# Allegro board GPS_INTERFACE_BOARD_v24_test_SFP_.brd (continued)
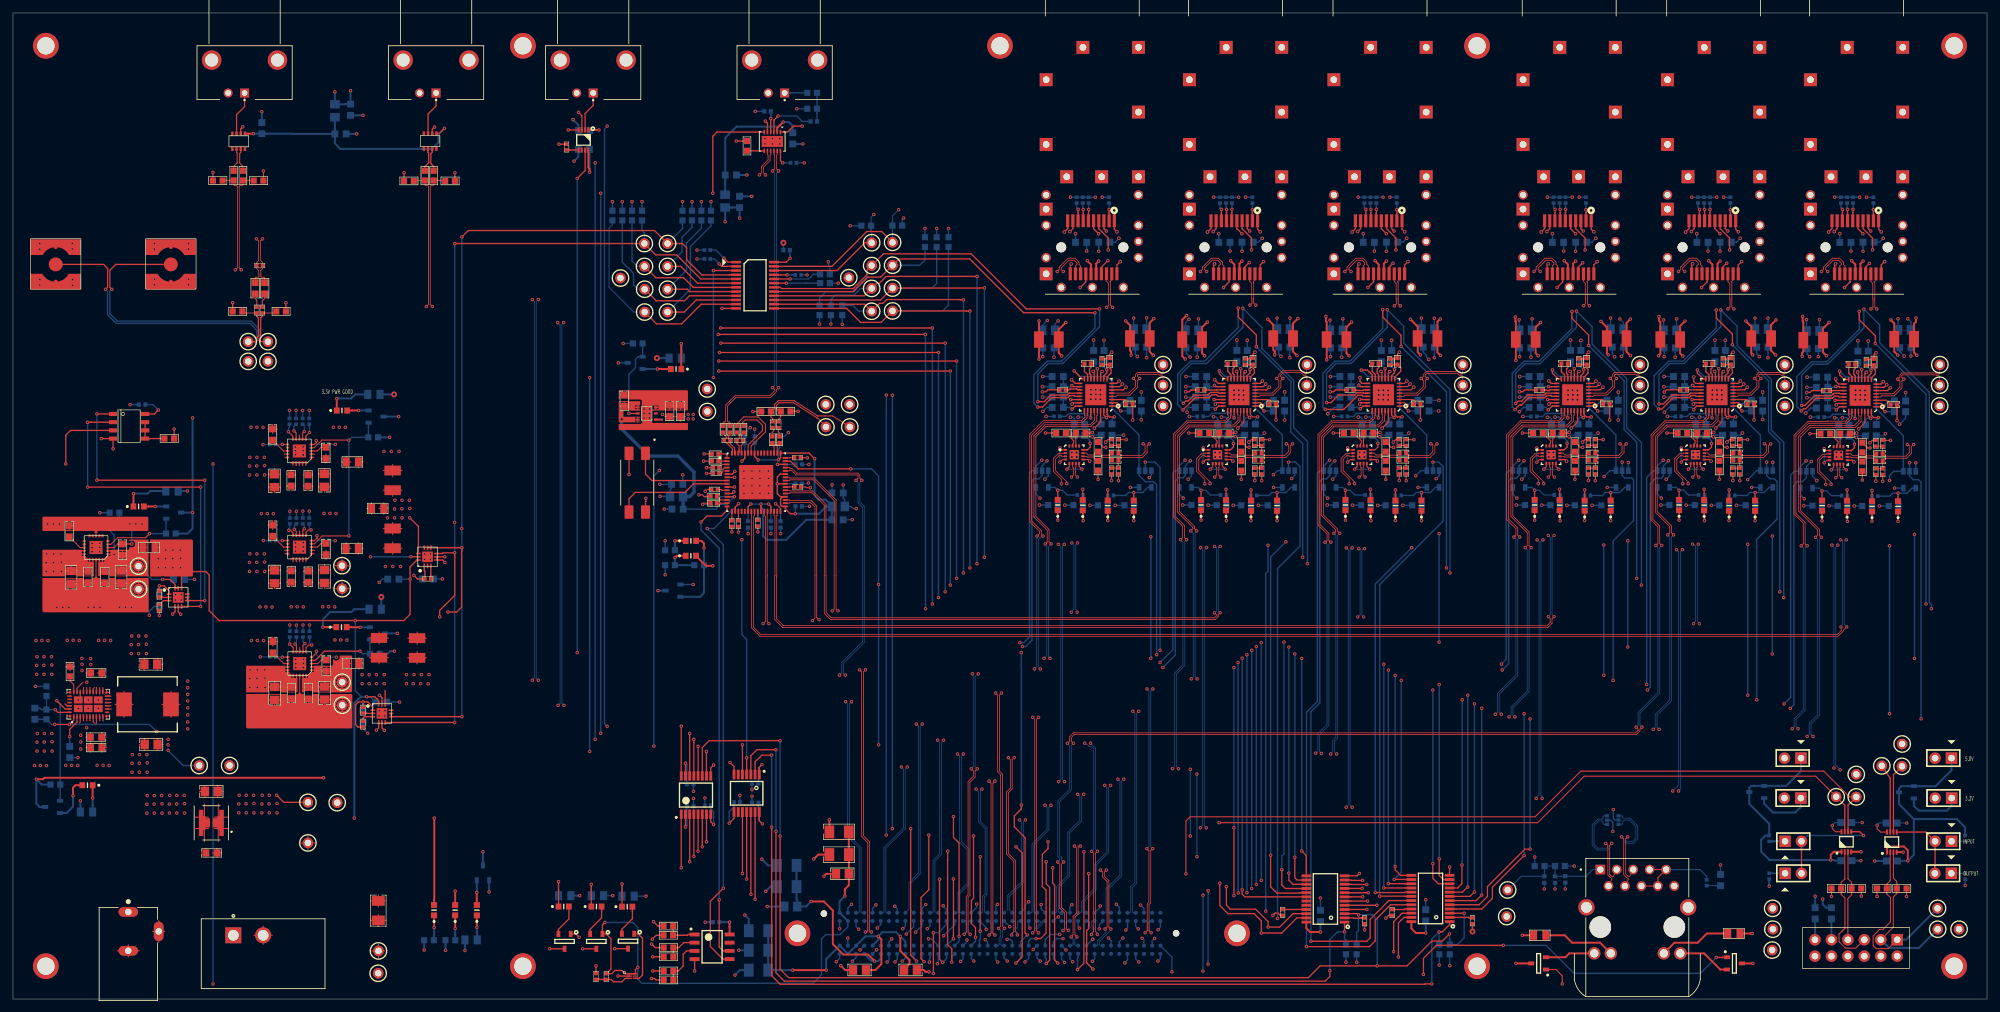
[diagram p0: board, top side]
## Routing (per net, layer and track width the routed paths; a pad name or vN(x,y) marks a point on that pad's centre or on a via; arc(x,y) is an arc through that point) (continued)
  BOTTOM w0.127: v2(208.69,69.61) 208.69,69.61 208.64,69.56 208.41,69.56 208.28,69.43 208.28,59.31 v2(208.53,59.05)
CLK_TO_SFP.CLK_TO_SFP_N4: length 109.6
  TOP w0.127: v2(186.39,59.69) 186.08,59.38 186.08,59.09 185.64,58.65 126.22,58.65 125.27,59.6 125.27,76.34 123.37,78.24 123.25,78.24 119.98,78.24 119.86,78.13 IC2.37 ; U38.7 186.23,82.24 186.17,82.18 186.17,80.99 v2(186.49,80.67)
  L5 w0.127: v2(186.49,80.67) 186.33,80.52 186.33,80.5 186.31,80.48 186.27,80.48 186.14,80.35 186.14,73.02 186.16,73 186.16,70.21 v2(186.41,69.95)
  BOTTOM w0.127: v2(186.41,69.95) 186.23,69.95 186.11,69.82 186.11,59.97 v2(186.39,59.69)
CLK_TO_SFP.CLK_TO_SFP_N5: length 88.2
  TOP w0.127: v2(164.36,80.67) 164.05,80.99 164.05,82.18 164.11,82.24 U42.7 ; IC2.41 119.86,80.13 119.97,80.24 123.6,80.24 126.8,77.05 126.8,60.3 v2(126.5,59.99)
  L5 w0.127: v2(164.3,59.78) 164.01,59.78 163.89,59.66 163.89,59.58 163.61,59.3 163.4,59.3 163.39,59.28 127.65,59.28 127.42,59.52 127.19,59.52 126.71,59.99 v2(126.5,59.99) ; v2(164.37,70.49) 164.02,70.85 164.02,72.81 164.03,72.82 164.02,72.84 164.02,73 163.97,73.05 163.97,80.27 v2(164.36,80.67)
  BOTTOM w0.127: v2(164.3,59.78) 164.3,60.02 164.09,60.23 164.09,70.15 164.22,70.28 164.27,70.28 164.37,70.39 v2(164.37,70.49)
CLK_TO_SFP.CLK_TO_SFP_P0: length 221.3
  TOP w0.127: IC2.24 114.51,74.78 114.33,74.59 114.33,57.48 115.47,56.34 281.66,56.34 282.35,57.02 282.35,57.4 v2(282.24,57.51) ; U22.6 281.61,82.14 281.74,82.02 281.74,80.87 v2(281.44,80.57)
  L4 w0.165: 281.75,72.79 281.75,80.26 v2(281.44,80.57)
  L5 w0.127: v2(282.19,70.97) 282.4,71.17 282.4,77.46 281.77,78.09 281.77,80.24 v2(281.44,80.57)
  BOTTOM w0.127: v2(282.19,70.97) 282.37,70.97 282.47,70.87 282.47,57.86 282.24,57.63 v2(282.24,57.51)
CLK_TO_SFP.CLK_TO_SFP_P1: length 188.2
  TOP w0.127: v2(116.71,58.01) 116.71,58.14 116.46,58.4 116.46,65.38 116.51,65.43 116.51,65.48 116.46,65.53 116.46,74.84 116.51,74.89 IC2.28 ; U26.6 259.54,82.24 259.66,82.12 259.66,80.97 v2(259.37,80.67)
  L5 w0.127: v2(259.37,80.67) 259.69,80.34 259.69,70.57 259.44,70.31 v2(259.33,70.31) ; v2(116.71,58.01) 116.49,57.79 116.49,57.61 117.08,57.02 259.38,57.02 259.71,57.35 259.71,57.9 259.6,58.01 v2(259.49,58.01)
  BOTTOM w0.127: v2(259.33,70.31) 259.46,70.31 259.59,70.18 259.66,70.18 259.79,70.05 259.79,58.4 259.59,58.2 259.59,58.12 v2(259.49,58.01)
CLK_TO_SFP.CLK_TO_SFP_P2: length 162.2
  TOP w0.127: IC2.31 118.01,74.78 117.93,74.7 117.93,65.37 117.88,65.31 117.88,58.78 118.95,57.71 236.87,57.71 237.36,58.21 237.36,58.8 v2(237.06,59.11) ; U30.6 237.24,82.24 237.36,82.12 237.36,80.97 v2(237.07,80.67)
  L5 w0.127: v2(237.06,71.65) 237.37,71.97 237.37,80.36 v2(237.07,80.67)
  BOTTOM w0.127: v2(237.06,59.11) 237.36,59.41 237.36,71.35 v2(237.06,71.65)
CLK_TO_SFP.CLK_TO_SFP_P3: length 131.8
  TOP w0.127: U34.6 208.03,82.24 208.15,82.12 208.15,80.97 v2(207.86,80.67) ; IC2.35 119.86,77.13 119.97,77.02 123.27,77.02 124.1,76.19 124.1,58.98 v2(124.46,58.62)
  L5 w0.127: v2(207.64,59.05) 207.79,59.05 207.93,58.91 207.93,58.68 207.57,58.32 124.76,58.32 v2(124.46,58.62) ; v2(207.8,69.61) 207.94,69.61 208.16,69.83 208.16,80.36 v2(207.86,80.67)
  BOTTOM w0.127: v2(207.8,69.61) 207.81,69.6 207.87,69.6 208,69.47 208,59.37 207.73,59.11 207.69,59.11 v2(207.64,59.05)
CLK_TO_SFP.CLK_TO_SFP_P4: length 109.2
  TOP w0.127: IC2.38 119.86,78.63 119.97,78.52 123.48,78.52 125.53,76.48 125.53,65.43 125.55,65.41 125.55,59.72 126.34,58.93 185.52,58.93 185.8,59.2 185.8,59.38 v2(185.49,59.69) ; v2(185.55,80.67) 185.85,80.97 185.85,82.12 185.73,82.24 U38.6
  L5 w0.127: v2(185.52,69.95) 185.6,69.95 185.88,70.23 185.88,72.89 185.86,72.89 185.86,72.89 185.86,80.36 v2(185.55,80.67)
  BOTTOM w0.127: v2(185.49,59.69) 185.57,59.69 185.83,59.94 185.83,69.8 185.67,69.95 v2(185.52,69.95)
CLK_TO_SFP.CLK_TO_SFP_P5: length 86.6
  TOP w0.127: v2(163.43,80.67) 163.73,80.97 163.73,82.12 163.61,82.24 U42.6 ; IC2.42 119.86,80.63 119.97,80.52 123.72,80.52 127.1,77.14 127.1,60.28 v2(127.39,59.99)
  L5 w0.127: v2(163.41,59.78) 163.19,59.56 127.77,59.56 127.59,59.74 127.59,59.79 v2(127.39,59.99) ; v2(163.48,70.49) 163.69,70.7 163.69,70.71 163.74,70.76 163.74,72.89 163.69,72.94 163.69,80.41 v2(163.43,80.67)
  BOTTOM w0.127: v2(163.41,59.78) 163.6,59.97 163.6,60.06 163.81,60.27 163.81,70.16 v2(163.48,70.49)
CML_SFP_TD_N_SFP INTERFACE_SFP1: length 5.2
  TOP w0.127: C141.1 287.26,83.62 286.09,83.62 R120.2 285.41,83.07 284.81,83.67 283.9,83.67 283.8,83.77 U22.10
CML_SFP_TD_N_SFP INTERFACE_SFP2: length 5.2
  TOP w0.127: C164.1 265.19,83.72 264.02,83.72 R141.2 263.33,83.17 262.74,83.77 261.83,83.77 261.73,83.87 U26.10
CML_SFP_TD_N_SFP INTERFACE_SFP3: length 5.2
  TOP w0.127: U30.10 239.42,83.87 239.53,83.77 240.44,83.77 241.03,83.17 R162.2 241.72,83.72 242.88,83.72 C187.1
CML_SFP_TD_N_SFP INTERFACE_SFP4: length 5.2
  TOP w0.127: C210.1 213.67,83.72 212.51,83.72 R183.2 211.82,83.17 211.23,83.77 210.32,83.77 210.21,83.87 U34.10
CML_SFP_TD_N_SFP INTERFACE_SFP5: length 5.2
  TOP w0.127: U38.10 187.91,83.87 188.02,83.77 188.93,83.77 189.52,83.17 R204.2 190.21,83.72 191.37,83.72 C233.1
CML_SFP_TD_N_SFP INTERFACE_SFP6: length 5.2
  TOP w0.127: C256.1 169.25,83.72 168.08,83.72 R225.2 167.4,83.17 166.8,83.77 165.9,83.77 165.79,83.87 U42.10
CML_SFP_TD_P_SFP INTERFACE_SFP1: length 5.2
  TOP w0.127: C140.1 287.36,83.95 286.09,83.95 R119.2 285.3,84.49 284.8,83.99 284.04,83.99 283.75,84.27 U22.11
CML_SFP_TD_P_SFP INTERFACE_SFP2: length 5.2
  TOP w0.127: U26.11 261.67,84.37 261.96,84.09 262.72,84.09 263.23,84.59 R140.2 264.02,84.05 265.29,84.05 C163.1
CML_SFP_TD_P_SFP INTERFACE_SFP3: length 5.2
  TOP w0.127: C186.1 242.99,84.05 241.72,84.05 R161.2 240.93,84.59 240.42,84.09 239.66,84.09 239.37,84.37 U30.11
CML_SFP_TD_P_SFP INTERFACE_SFP4: length 5.2
  TOP w0.127: C209.1 213.78,84.05 212.51,84.05 R182.2 211.72,84.59 211.21,84.09 210.45,84.09 210.16,84.37 U34.11
CML_SFP_TD_P_SFP INTERFACE_SFP5: length 5.2
  TOP w0.127: C232.1 191.47,84.05 190.21,84.05 R203.2 189.42,84.59 188.91,84.09 188.15,84.09 187.86,84.37 U38.11
CML_SFP_TD_P_SFP INTERFACE_SFP6: length 5.2
  TOP w0.127: U42.11 165.74,84.37 166.03,84.09 166.79,84.09 167.3,84.59 R224.2 168.08,84.05 169.35,84.05 C255.1
FB_2V5: length 2.5
  TOP w0.165: C83.2 47.61,52.4 47.05,51.84 U12.3
FB_3V3_1: length 2.5
  TOP w0.165: U9.3 47.03,69.85 47.59,70.41 C64.2
FB_3V3_2: length 2.5
  TOP w0.165: C75.2 47.56,85.27 47,84.71 U11.3
FB_5V: length 10
  TOP w0.165: U7.3 15.61,69.77 16.17,70.33 C56.2
  TOP w0.203: C56.2 v1(18.34,70.33)
  BOTTOM w0.203: v1(18.34,70.33) 18.34,72.34 17.3,73.38 R46.2 16.45,74.43 16.42,74.46 R47.1
FB_5V5: length 7.7
  TOP w0.203: v1(6.53,44.73) 6.94,44.32 U6.32
  BOTTOM w0.203: C51.2 4.15,44.96 4.36,44.74 R41.2 ; R41.2 R36.1 ; R41.2 5.89,44.74 5.9,44.73 v1(6.53,44.73)
FMC.CLK_FILTER_A: length 146.1
  TOP w0.203: v1(121.84,134.91) 120.51,134.91 119.59,133.99 U1.1 ; U18.16 v1(103.19,42.18)
  L5 w0.203: v1(91.74,134.91) v1(121.84,134.91) ; v1(103.19,42.18) 92.25,42.18 92.24,42.16 v1(91.74,42.16)
  BOTTOM w0.203: 91.72,42.16 v1(91.74,42.16) 91.34,42.57 91.34,134.5 v1(91.74,134.91)
FMC.CLK_FILTER_B: length 138.1
  TOP w0.203: U18.14 v1(104.49,41.06) ; U1.6 108.69,133.99 108.05,133.35 v1(108.05,124.55)
  L5 w0.203: v1(90.75,124.55) v1(108.05,124.55) ; v1(90.75,41.07) 91.25,41.07 91.26,41.06 v1(104.49,41.06)
  BOTTOM w0.203: v1(90.75,41.07) v1(90.75,124.55)
FMC.CLK_GEN_INTR*: length 48.3
  TOP w0.203: v1(111.3,78.38) 111.05,78.13 IC2.12 ; U17.4 v1(113.28,37.29)
  L5 w0.203: v1(111.3,78.38) 109.63,76.71 109.63,71.81 110.44,70.99 v1(112.55,70.99)
  BOTTOM w0.203: v1(112.55,70.99) 112.55,56.31 113.28,55.58 v1(113.28,37.29)
FMC.CLK_GEN_LOL*: length 113.1
  TOP w0.203: U17.5 v1(112.63,39.29) ; IC2.47 119.26,83.13 120.04,83.13 121.23,81.94 v1(129.36,81.94)
  L5 w0.203: v1(105.02,64.07) v1(133.64,64.07) ; v1(133.65,39.29) v1(112.63,39.29)
  BOTTOM w0.203: v1(133.65,39.29) 133.65,63.38 133.64,63.39 v1(133.64,64.07) 133.64,80.86 132.56,81.94 v1(129.36,81.94) ; Q1.1 v1(105.02,64.07)
FMC.CLK_GEN_RST*: length 68.1
  TOP w0.203: IC2.6 111.05,81.13 v1(111.46,81.53) ; U18.12 v1(105.79,39.06)
  L5 w0.203: v1(99.8,81.69) 104.47,81.69 105.46,80.7 108.41,80.7 108.84,81.13 111.05,81.13 v1(111.46,81.53) ; v1(98.96,39.09) 99.45,39.09 99.48,39.06 v1(105.79,39.06)
  BOTTOM w0.203: v1(98.96,39.09) 98.96,80.85 v1(99.8,81.69)
FMC.CLK_TO_FPGA_N: length 134.4
  TOP w0.127: v1(175.07,23.24) 175.39,22.93 175.39,14.95 175.13,14.7 175.13,10.58 v1(174.82,10.26) ; v1(130.16,80.16) 130.48,80.48 130.48,80.87 130.35,81 120.9,81 120.15,81.74 119.97,81.74 119.86,81.63 IC2.44
  L5 w0.127: v1(127.61,50.06) 128.17,49.51 128.17,49.36 128.46,49.07 172.83,49.07 173.24,48.67 175.29,48.67 175.41,48.54 175.41,48.24 v1(175.1,47.93)
  BOTTOM w0.127: v1(174.82,10.26) 175.13,10.58 175.13,11.63 175.12,11.64 175.12,11.94 174.99,12.06 J8.G3 ; v1(127.61,50.06) 127.97,50.41 127.97,52.01 131.17,55.21 131.17,76.01 130.48,76.69 130.48,79.85 v1(130.16,80.16) ; v1(175.1,47.93) 175.39,47.64 175.39,23.56 v1(175.07,23.24)
FMC.CLK_TO_FPGA_P: length 134.7
  TOP w0.127: v1(175.98,23.24) 175.67,22.93 175.67,14.83 175.41,14.58 175.41,10.58 v1(175.73,10.26) ; v1(131.07,80.16) 130.76,80.48 130.76,80.99 130.47,81.28 121.01,81.28 120.27,82.02 119.97,82.02 119.86,82.13 IC2.45
  L5 w0.127: v1(176.01,47.93) 175.69,48.24 175.69,48.66 175.4,48.95 173.35,48.95 172.95,49.35 128.57,49.35 128.45,49.48 128.45,49.63 128.4,49.68 128.4,49.85 128.52,49.98 v1(128.52,50.06)
  BOTTOM w0.127: J8.G2 175.53,12.06 175.4,11.94 175.4,11.76 175.41,11.75 175.41,10.58 v1(175.73,10.26) ; v1(175.98,23.24) 175.67,23.56 175.67,47.59 v1(176.01,47.93) ; v1(131.07,80.16) 130.76,79.85 130.76,76.81 131.44,76.12 131.44,55.09 128.24,51.89 128.24,50.34 v1(128.52,50.06)
FMC.DATA_TO_FF_N0: length 194.4
  TOP w0.127: U22.3 279.98,83.77 279.89,83.86 279.52,83.86 278.97,83.31 278.97,81.58 280.74,79.8 280.74,79.57 v1(280.72,79.55)
  L4 w0.165: 281.41,72.8 281.41,77.52 280.47,78.46 280.47,79.28 280.72,79.53 v1(280.72,79.55)
  L5 w0.127: v1(280.72,79.55) 280.72,79.53 280.45,79.26 280.45,78.07 281.44,77.08 281.44,70.47 v1(281.75,70.15) ; v1(282.13,35.43) 282.13,35.16 281.81,34.85 281.81,34.37 280.52,33.07 171.21,33.07 170.92,33.36 170.92,33.67 v1(170.6,33.99)
  BOTTOM w0.127: v1(281.75,70.15) 281.44,69.84 281.44,36.13 281.65,35.91 281.65,35.91 v1(282.13,35.43) ; J8.H8 168.64,13.34 168.77,13.46 168.77,17.02 170.92,19.17 170.92,33.67 v1(170.6,33.99)
FMC.DATA_TO_FF_N1: length 167.4
  TOP w0.127: U26.3 257.91,83.87 257.82,83.97 257.45,83.97 256.9,83.42 256.9,81.68 258.67,79.91 258.67,79.67 v1(258.65,79.65)
  L5 w0.127: v1(258.65,79.65) 258.65,79.64 258.4,79.38 258.4,78.56 259.23,77.73 259.23,77.7 259.29,77.64 259.29,73.41 257.48,71.6 257.48,69.72 v1(257.76,69.44) ; v1(168.57,33.02) 168.88,32.71 168.88,32.12 169.48,31.52 255.35,31.52 255.49,31.67 256.47,31.67 256.76,31.95 256.76,32.19 256.88,32.32 257.01,32.32 v1(257.18,32.16)
  BOTTOM w0.127: v1(257.18,32.16) 257.45,32.44 257.45,69.14 v1(257.76,69.44) ; J8.H11 164.83,13.34 164.96,13.46 164.96,15.04 166.95,17.03 166.95,20.82 168.88,22.75 168.88,32.71 v1(168.57,33.02)
FMC.DATA_TO_FF_N2: length 149.6
  TOP w0.127: v1(236.35,79.65) 236.37,79.67 236.37,79.91 234.59,81.68 234.59,83.42 235.14,83.97 235.52,83.97 235.61,83.87 U30.3
  L5 w0.127: v1(236.23,70.97) 235.92,71.28 235.92,71.57 237.01,72.67 237.01,72.96 237.03,72.98 237.03,77.62 236.09,78.56 236.09,79.38 236.35,79.64 v1(236.35,79.65) ; v1(164.4,31.65) 164.72,31.34 164.72,30.82 165.42,30.12 205.65,30.12 205.65,30.13 234.7,30.13 235.09,30.52 235.39,30.52 235.88,31.01 v1(236.1,31.01)
  BOTTOM w0.127: v1(164.4,31.65) 164.72,31.34 164.72,27.62 162.86,25.77 162.86,19.09 161.15,17.38 161.15,13.46 161.02,13.34 J8.H14 ; v1(236.23,70.97) 235.92,70.65 235.92,31.52 236.1,31.34 v1(236.1,31.01)
FMC.DATA_TO_FF_N3: length 124.4
  TOP w0.127: v1(207.14,79.65) 207.16,79.67 207.16,79.91 205.38,81.68 205.38,83.42 205.93,83.97 206.31,83.97 206.4,83.87 U34.3
  L5 w0.127: v1(206.77,29.64) 206.34,29.21 206.34,29.14 206.05,28.85 159.98,28.85 159.67,29.17 159.67,29.63 v1(159.35,29.94) ; v1(207.14,79.65) 207.14,79.64 206.88,79.38 206.88,78.56 207.82,77.62 207.82,72.9 207.8,72.88 207.8,71.94 206.45,70.59 206.45,70.04 v1(206.77,69.72)
  BOTTOM w0.127: v1(206.77,69.72) 206.45,69.41 206.45,29.96 v1(206.77,29.64) ; J8.H17 157.21,13.34 157.34,13.46 157.34,23.93 159.67,26.25 159.67,29.63 v1(159.35,29.94)
FMC.DATA_TO_FF_N4: length 107.1
  TOP w0.127: U38.3 184.1,83.87 184,83.97 183.63,83.97 183.08,83.42 183.08,81.68 184.86,79.91 184.86,79.67 v1(184.84,79.65)
  L5 w0.127: v1(184.84,79.65) 184.84,79.64 184.58,79.38 184.58,78.56 185.52,77.62 185.52,72.9 185.5,72.88 185.5,72.58 183.97,71.05 183.97,70.09 v1(184.29,69.78) ; v1(155.41,27.68) 155.73,27.37 155.73,26.96 156.46,26.23 181.45,26.23 182.11,25.57 183.66,25.57 183.95,25.86 183.95,26.15 v1(184.26,26.47)
  BOTTOM w0.127: J8.H20 153.52,13.82 153.52,15.94 155.73,18.15 155.73,27.37 v1(155.41,27.68) ; v1(184.26,26.47) 183.95,26.78 183.95,69.44 v1(184.29,69.78)
FMC.DATA_TO_FF_N5: length 89.2
  TOP w0.127: v1(162.71,79.65) 162.73,79.67 162.73,79.91 160.96,81.68 160.96,83.42 161.51,83.97 161.88,83.97 161.97,83.87 U42.3
  L5 w0.127: v1(162.32,70.27) 162,70.59 162,71.55 163.38,72.94 163.38,77.63 162.92,78.1 162.92,78.13 162.46,78.59 162.46,79.38 162.71,79.64 v1(162.71,79.65) ; v1(148.71,32.45) 148.71,32.27 149.56,31.42 160.31,31.42 161.96,33.07 161.96,33.21 v1(162.36,33.6)
  BOTTOM w0.127: v1(148.71,32.45) 149.1,32.05 149.1,27.35 150.11,26.34 150.11,16.27 149.72,15.88 149.72,13.46 149.59,13.34 J8.H23 ; v1(162.36,33.6) 162.05,33.91 162.05,70.01 v1(162.32,70.27)
FMC.DATA_TO_FF_P0: length 193.4
  TOP w0.127: v1(279.9,79.53) 279.9,80.2 278.65,81.45 278.65,83.45 279.39,84.18 279.89,84.18 279.98,84.27 U22.2
  L4 w0.165: 281.09,72.8 281.09,77.39 280.15,78.33 280.15,79.28 v1(279.9,79.53)
  L5 w0.127: v1(279.9,79.53) 280.17,79.26 280.17,77.96 281.16,76.97 281.16,70.47 v1(280.84,70.15) ; v1(281.16,35.71) 281.53,35.34 281.53,34.48 280.4,33.35 171.32,33.35 171.2,33.48 171.2,33.67 v1(171.51,33.99)
  BOTTOM w0.127: v1(281.16,35.71) 281.16,69.84 v1(280.84,70.15) ; 169.54,13.34 169.18,13.34 169.05,13.46 169.05,16.9 171.2,19.05 171.2,33.67 v1(171.51,33.99)
FMC.DATA_TO_FF_P1: length 166.3
  TOP w0.127: v1(257.82,79.64) 257.82,80.3 256.58,81.55 256.58,83.55 257.31,84.28 257.82,84.28 257.91,84.37 U26.2
  L5 w0.127: v1(257.82,79.64) 258.08,79.38 258.08,78.43 259.01,77.5 259.01,73.52 257.2,71.72 257.2,69.79 v1(256.85,69.44) ; v1(256.27,32.16) 256.27,32.07 256.14,31.95 255.38,31.95 255.23,31.8 169.6,31.8 169.16,32.23 169.16,32.71 v1(169.48,33.02)
  BOTTOM w0.127: v1(169.48,33.02) 169.16,32.71 169.16,22.63 167.23,20.7 167.23,16.92 165.24,14.92 165.24,13.46 165.37,13.34 J8.H10 ; v1(256.27,32.16) 257.18,33.07 257.18,69.12 v1(256.85,69.44)
FMC.DATA_TO_FF_P2: length 148.5
  TOP w0.127: v1(235.52,79.64) 235.52,80.3 234.28,81.55 234.28,83.55 235.01,84.28 235.52,84.28 235.61,84.37 U30.2
  L5 w0.127: v1(235.52,79.64) 235.78,79.38 235.78,78.43 236.72,77.49 236.72,72.98 236.73,72.96 236.73,72.78 235.64,71.68 235.64,71.28 v1(235.32,70.97) ; v1(165.31,31.65) 165,31.34 165,30.94 165.53,30.4 205.53,30.4 205.54,30.41 234.59,30.41 v1(235.19,31.01)
  BOTTOM w0.127: J8.H13 161.56,13.34 161.43,13.46 161.43,17.26 163.14,18.97 163.14,25.65 165,27.51 165,31.34 v1(165.31,31.65) ; v1(235.32,70.97) 235.64,70.65 235.64,31.55 235.19,31.1 v1(235.19,31.01)
FMC.DATA_TO_FF_P3: length 123.7
  TOP w0.127: U34.2 206.4,84.37 206.31,84.28 205.8,84.28 205.07,83.55 205.07,81.55 206.31,80.3 v1(206.31,79.64)
  L5 w0.127: v1(160.26,29.94) 159.95,29.63 159.95,29.28 160.1,29.13 205.93,29.13 206.06,29.26 206.06,29.44 v1(205.86,29.64) ; v1(205.86,69.72) 206.17,70.04 206.17,70.7 207.52,72.05 207.52,72.88 207.51,72.9 207.51,77.49 206.57,78.43 206.57,79.38 v1(206.31,79.64)
  BOTTOM w0.127: v1(205.86,69.72) 206.17,69.41 206.17,29.96 v1(205.86,29.64) ; v1(160.26,29.94) 159.95,29.63 159.95,26.14 157.62,23.81 157.62,13.46 157.75,13.34 J8.H16
FMC.DATA_TO_FF_P4: length 106.5
  TOP w0.127: U38.2 184.1,84.37 184,84.28 183.5,84.28 182.77,83.55 182.77,81.55 184.01,80.3 v1(184.01,79.64)
  L5 w0.127: v1(183.38,69.78) 183.69,70.09 183.69,71.17 185.22,72.7 185.22,72.88 185.2,72.9 185.2,77.49 184.27,78.43 184.27,79.38 v1(184.01,79.64) ; v1(156.32,27.68) 156.01,27.37 156.01,27.07 156.57,26.51 181.56,26.51 182.23,25.85 183.54,25.85 183.67,25.97 183.67,26.15 v1(183.35,26.47)
  BOTTOM w0.127: v1(183.38,69.78) 183.67,69.49 183.67,26.78 v1(183.35,26.47) ; v1(156.32,27.68) 156.01,27.37 156.01,18.04 153.8,15.82 153.8,13.84 J8.H19
FMC.DATA_TO_FF_P5: length 88.4
  TOP w0.127: v1(161.89,79.64) 161.89,80.3 160.64,81.55 160.64,83.55 161.38,84.28 161.88,84.28 161.97,84.37 U42.2
  L5 w0.127: v1(161.89,79.64) 162.14,79.38 162.14,78.45 162.69,77.91 162.72,77.91 163.11,77.52 163.11,73.05 161.72,71.67 161.72,70.59 v1(161.41,70.27) ; v1(161.45,33.6) 161.69,33.37 161.69,33.19 160.2,31.7 149.67,31.7 149.45,31.92 149.45,32.28 v1(149.62,32.45)
  BOTTOM w0.127: v1(161.41,70.27) 161.77,69.91 161.77,33.93 v1(161.45,33.6) ; J8.H22 150.13,13.34 150,13.46 150,15.76 150.39,16.15 150.39,26.46 149.38,27.47 149.38,32.21 v1(149.62,32.45)
FMC.FPGA_CLK_FILTER_A: length 82.4
  TOP w0.203: v1(160.53,20.29) 160.53,17.91 160.83,17.6 160.83,6.05 v1(161.32,5.56) ; U18.1 v1(103.19,20.29)
  L5 w0.203: v1(103.19,20.29) v1(160.53,20.29)
  BOTTOM w0.203: J8.C14 160.66,6.22 v1(161.32,5.56)
FMC.FPGA_CLK_FILTER_B: length 80.3
  TOP w0.203: v1(159.54,21.22) 159.54,17.81 160.07,17.27 160.07,6.02 v1(159.54,5.49) ; U18.3 v1(104.49,21.22)
  L5 w0.203: v1(159.54,21.22) 159.04,21.22 158.95,21.13 125.02,21.13 124.87,20.99 112.69,20.99 112.46,21.22 v1(104.49,21.22)
  BOTTOM w0.203: v1(159.54,5.49) 159.54,6.28 159.38,6.44 159.38,6.99
FMC.FPGA_CLK_GEN_INTR*: length 55
  TOP w0.203: v1(143.56,5.66) 143.07,6.16 v1(143.07,18.52) ; U17.11 v1(113.28,18.54)
  L5 w0.203: v1(113.28,18.54) 123.95,18.54 124.21,18.29 125.98,18.29 126.24,18.54 142.54,18.54 142.57,18.52 v1(143.07,18.52)
  BOTTOM w0.203: J8.C27 144.15,6.25 v1(143.56,5.66)
FMC.FPGA_CLK_GEN_LOL*: length 81.2
  TOP w0.203: U17.10 v1(112.63,19.39) ; v1(166.75,4.62) 165.79,5.59 165.79,10.59 166.09,10.9 v1(166.09,19.39)
  L5 w0.203: v1(166.09,19.39) 126.23,19.39 125.98,19.63 124.23,19.63 123.99,19.39 v1(112.63,19.39)
  BOTTOM w0.203: v1(166.75,4.62) 165.74,5.64 J8.C10
FMC.FPGA_CLK_GEN_RST*: length 63.2
  TOP w0.203: v1(144.32,22.85) 144.32,21.51 144.31,21.5 144.31,8.42 144.96,7.77 v1(144.96,5.69) ; U18.5 v1(105.79,22.85)
  L5 w0.203: v1(105.79,22.85) v1(144.32,22.85)
  BOTTOM w0.203: J8.C26 144.96,6.53 v1(144.96,5.69)
FMC.FPGA_GPS_CLK_EN*: length 88.3
  TOP w0.203: v1(164.36,4.55) 165.35,5.54 v1(165.35,22.76) ; U18.4 v1(105.14,22.04)
  L5 w0.203: v1(105.14,22.04) 112.49,22.04 112.7,22.25 124.87,22.25 124.99,22.12 146.81,22.12 147.45,22.76 v1(165.35,22.76)
  BOTTOM w0.203: J8.C11 164.47,6.44 164.36,6.33 v1(164.36,4.55)
FMC.FPGA_I2C_EXT_INT0*: length 72
  TOP w0.203: v1(114.58,15.42) U17.13
  L5 w0.203: v1(162.13,9.35) 159.36,6.58 116.81,6.58 114.58,8.81 v1(114.58,15.42)
  BOTTOM w0.203: J8.D14 160.66,8.86 161.14,9.35 v1(162.13,9.35)
FMC.FPGA_I2C_EXT_INT1*: length 73
  TOP w0.203: v1(113.94,16.18) 113.93,16.19 U17.12
  L5 w0.203: v1(161.62,9.98) 158.67,7.04 116.94,7.04 115.32,8.66 115.32,15.62 114.76,16.18 v1(113.94,16.18)
  BOTTOM w0.203: v1(161.62,9.98) 160.17,9.98 159.38,9.19 159.38,8.26
FMC.FPGA_I2C_EXT_RST*: length 74
  TOP w0.203: U18.6 v1(106.44,23.54) ; v1(154.86,5.56) 155.83,6.53 155.83,22.57 v1(154.86,23.54)
  L5 w0.203: v1(106.44,23.54) v1(154.86,23.54)
  BOTTOM w0.203: v1(154.86,5.56) 155.57,6.27 J8.C18
FMC.FPGA_I2C_SW_RST*: length 75.7
  TOP w0.203: v1(157.96,9.35) 158.67,9.35 159.51,10.19 159.51,16.81 158.93,17.4 158.93,22.35 159.82,23.24 v1(159.82,24.31) ; U18.7 v1(107.09,24.31)
  L5 w0.203: v1(159.82,24.31) 148.3,24.31 148.22,24.24 147.79,24.24 147.72,24.31 v1(107.09,24.31)
  BOTTOM w0.203: J8.D17 156.84,9.02 157.18,9.35 v1(157.96,9.35)
FMC.FPGA_IO_VOLTAGE: length 84
  TOP w0.203: v1(96.47,4.9) 96.1,4.53 U16.6 U16.1 94.52,3.91 94.01,4.42 92.94,4.42 92.45,3.93 91.64,3.93 ; 91.64,3.93 R78.1 ; 91.64,3.93 92.33,4.62 92.33,9.32 91.59,10.07 Q11.1 91.02,11.47 v1(91.39,11.84)
  TOP w0.305: v1(128.45,15.93) 128.45,16.97 129.06,17.58 129.06,18.32 129.07,18.33 C105.1 129.07,21.04 129.06,21.05 C107.1 C106.1
  BOTTOM w0.203: v1(91.39,11.84) 95.71,11.84 96.47,11.07 v1(96.47,4.9) 96.47,3.07 97.1,2.44 123.52,2.44 124.84,3.76 124.84,9.3 125.5,9.96 127.69,9.96 128.91,11.18 J8.G39
  BOTTOM w0.305: J8.G39 J8.H40 127.64,15.11 v1(128.45,15.93)
FMC.GPS_CLK_EN*: length 142.2
  TOP w0.203: U1.12 118.5,129.59 v1(118.85,129.24) ; v1(105.13,40.13) 105.13,39.63 105.14,39.63 U18.13
  L5 w0.203: v1(105.13,40.13) v1(89.9,40.13) ; v1(89.9,129.24) v1(118.85,129.24)
  BOTTOM w0.203: v1(118.85,129.24) R1.1 ; v1(89.9,40.13) v1(89.9,129.24)
FMC.GPS_IRIGB: length 193.8
  TOP w0.203: v1(155.7,30) 155.7,29.39 154.61,28.3 154.61,26.59 156.27,24.94 156.27,10.26 v1(156.62,9.91) ; IC1.7 88.34,128.04 v1(87.12,126.82)
  L5 w0.203: v1(155.68,53.57) 152.84,53.57 152.82,53.54 v1(87.12,53.54)
  BOTTOM w0.203: v1(156.62,9.91) 155.57,8.86 J8.D18 ; v1(155.7,30) 155.7,51.23 155.68,51.26 v1(155.68,53.57) ; v1(87.12,53.54) v1(87.12,126.82)
FMC.GPS_PPS_N: length 225.6
  TOP w0.127: v1(63.83,107.04) 64.15,107.35 64.15,125.58 64.02,125.71 63.73,125.71 63.6,125.84 R12.2 61.95,126.5 R14.1
  L5 w0.127: v1(84.17,45.39) 84.44,45.11 84.66,45.11 84.87,44.9 85.28,44.9 85.34,44.96 85.49,45.11 173.1,45.11 173.23,44.98 173.23,44.79 v1(172.91,44.48) ; v1(63.83,107.04) 64.15,106.72 64.15,105.79 64.83,105.11 83.66,105.11 83.67,105.12 84.06,105.12 84.37,104.8 v1(84.11,104.55)
  BOTTOM w0.127: v1(172.91,44.48) 173.23,44.16 173.23,18.02 172.58,17.38 172.58,13.46 172.45,13.34 J8.H5 ; v1(84.17,45.39) 84.48,45.7 84.48,104.18 v1(84.11,104.55)
FMC.GPS_PPS_P: length 224.9
  TOP w0.127: v1(64.74,107.04) 64.43,107.35 64.43,125.58 64.55,125.71 64.85,125.71 64.97,125.84 R11.2 66.67,126.5 R13.1
  L5 w0.127: v1(173.82,44.48) 173.51,44.79 173.51,45.1 173.22,45.39 v1(85.07,45.39) ; v1(85.02,104.55) 84.18,105.39 83.55,105.39 83.54,105.38 64.95,105.38 64.43,105.91 64.43,106.72 v1(64.74,107.04)
  BOTTOM w0.127: v1(173.82,44.48) 173.51,44.16 173.51,17.91 172.86,17.26 172.86,13.46 172.99,13.34 J8.H4 ; v1(85.07,45.39) 84.76,45.7 84.76,104.28 v1(85.02,104.55)
FMC.GPS_SYNC_OUT_N: length 237.6
  TOP w0.127: v1(34.34,112.7) 34.66,113.01 34.66,125.58 34.53,125.71 34.21,125.71 34.09,125.84 R16.2 32.38,126.5 R18.1 ; v1(152.19,10.92) 152.5,11.24 152.5,34.66 152.03,35.12 152.03,46.98 v1(151.72,47.29)
  L5 w0.127: v1(151.72,47.29) 151.72,47.48 151.25,47.96 80.81,47.96 80.52,48.25 80.52,48.96 v1(80.2,49.28) ; v1(34.34,112.7) 34.66,112.38 34.66,110.82 36.43,109.04 80.05,109.04 80.59,108.49 v1(80.2,108.1)
  BOTTOM w0.127: 151.76,8.26 152.13,8.26 152.26,8.38 152.26,9.42 152.5,9.67 152.5,10.61 v1(152.19,10.92) ; v1(80.2,108.1) 80.52,107.79 80.52,49.59 v1(80.2,49.28)
FMC.GPS_SYNC_OUT_P: length 238
  TOP w0.127: v1(35.25,112.7) 34.94,113.01 34.94,125.58 35.06,125.71 35.38,125.71 35.51,125.84 R15.2 36.98,126.5 37.16,126.5 R17.1 ; v1(153.1,10.92) 152.78,11.24 152.78,34.77 152.31,35.24 152.31,46.98 v1(152.63,47.29)
  L5 w0.127: v1(81.11,49.28) 80.8,48.96 80.8,48.36 80.92,48.23 151.36,48.23 151.81,47.79 151.92,47.79 152.41,47.29 v1(152.63,47.29) ; v1(35.25,112.7) 34.94,112.38 34.94,110.93 36.55,109.32 80.16,109.32 81.11,108.37 v1(81.11,108.1)
  BOTTOM w0.127: v1(81.11,108.1) 80.8,107.79 80.8,49.59 v1(81.11,49.28) ; v1(153.1,10.92) 152.78,10.61 152.78,9.55 152.54,9.31 152.54,8.38 152.67,8.26 J8.D20
FMC.I2C_EXT_INT0*: length 154.6
  TOP w0.203: v1(117.14,26.57) 117.14,3.61 118.47,2.29 217.98,2.29 218.03,2.34 v1(219.07,2.34) ; U17.2 114.58,36.66 115.62,37.69 v1(117.14,37.69) ; v1(220.19,10.39) 220.69,10.39 221.82,11.52 IC11.1
  BOTTOM w0.203: v1(117.14,37.69) v1(117.14,26.57) ; R251.1 220.22,9.12 220.19,9.15 v1(220.19,10.39) 219.07,9.27 v1(219.07,2.34)
FMC.I2C_EXT_INT1*: length 140
  TOP w0.203: v1(117.81,25.91) 117.81,4.06 119.1,2.77 202.62,2.77 203.33,3.48 v1(203.33,4.39) ; U17.3 113.93,37.61 114.86,38.53 v1(117.81,38.53) ; IC9.1 v1(205.59,10.39)
  BOTTOM w0.203: v1(117.81,38.53) v1(117.81,25.91) ; R252.1 205.82,9.12 205.59,9.35 v1(205.59,10.39) 204.52,10.39 203.33,9.19 v1(203.33,4.39)
FMC.I2C_EXT_RST*: length 186.5
  TOP w0.203: IC11.3 v1(224.06,13.27) ; v1(221.79,10.06) 220.7,8.97 219.07,8.97 215.24,5.13 v1(210.64,5.13) 201.83,5.13 200,3.3 119.76,3.3 118.44,4.62 v1(118.44,25.17) ; v1(207.75,13.03) 207.58,13.19 IC9.3 ; v1(118.44,39.93) 107.49,39.93 106.44,38.87 U18.11
  BOTTOM w0.203: v1(224.06,13.27) 224.06,9.46 223.03,8.42 R245.1 221.84,9.12 221.79,9.18 v1(221.79,10.06) ; v1(210.64,5.13) 210.64,12.24 209.85,13.03 v1(207.75,13.03) 207.75,10.57 207.47,10.29 R246.1 ; v1(118.44,39.93) v1(118.44,25.17)
FMC.PWR_GOOD: length 106.3
  TOP w0.203: Q8.1 86.91,10.07 v1(87.43,9.55)
  L5 w0.203: v1(87.43,9.55) 87.43,3.45 88.42,2.46 136.25,2.46 138.68,4.9 161.62,4.9 163.14,3.38 178.1,3.38 v1(178.94,4.22)
  BOTTOM w0.203: v1(178.94,4.22) 178.94,6.48 177.16,8.26
